# Altium PCB Onju-Home.PcbDoc (part 1 of 2) (continued)
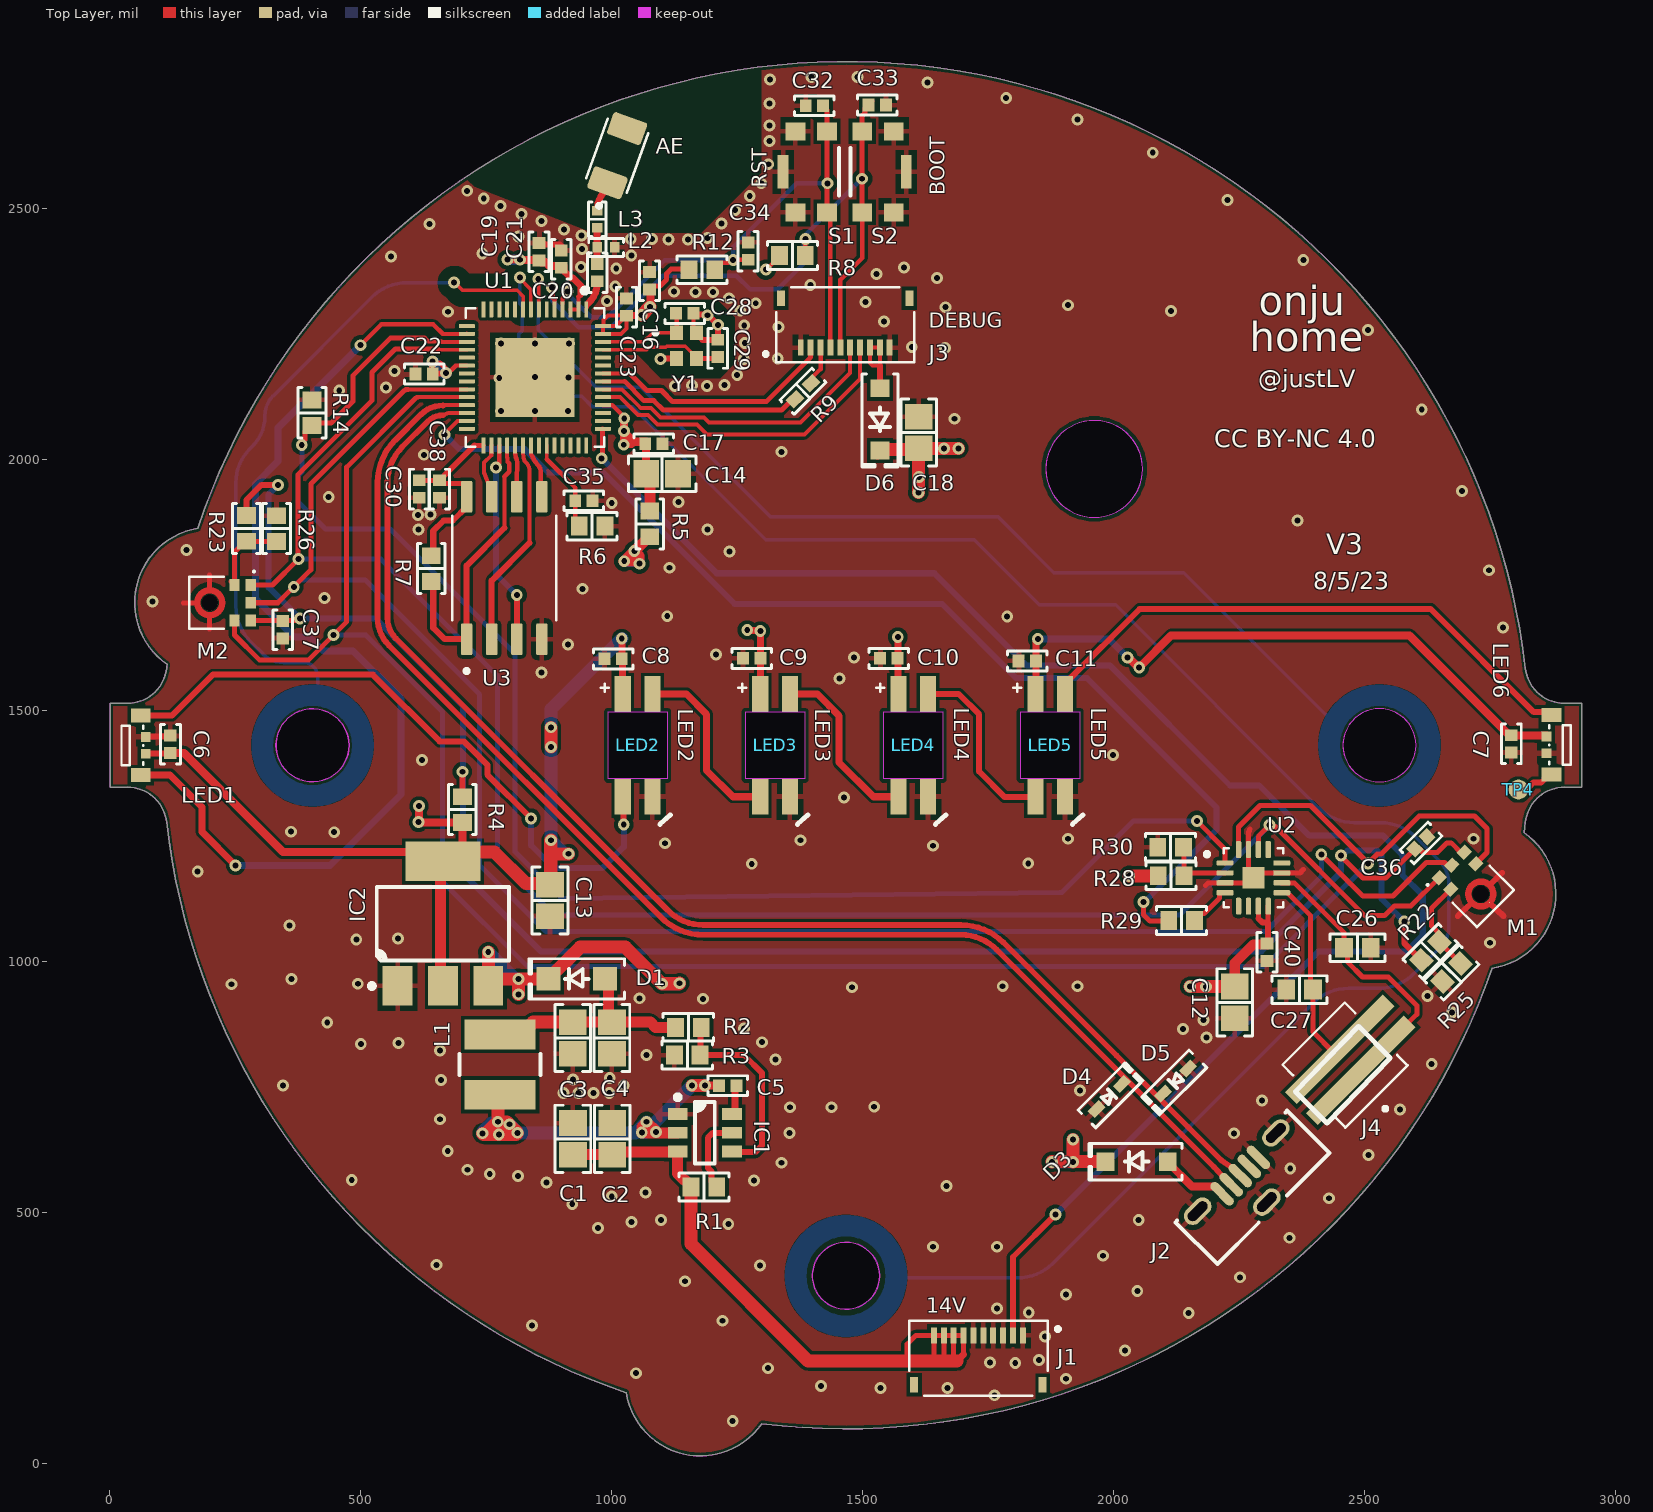
[diagram p0: Top Layer view]
## Part data (continued)
IC2: "IC REG LINEAR 3.3V 800MA SOT223", Current - Output=800mA, Current - Quiescent (Iq)="10 mA", Manufacturer=STMicroelectronics, Operating Temperature="0°C ~ 125°C", Package / Case="TO-261-4, TO-261AA", Supplier Device Package=SOT-223, Supplier Part Number 1=497-1242-1-ND, Voltage - Input (Max)=15V, Voltage - Output (Min/Fixed)=3.3V, Voltage Dropout (Max)="1.2V @ 800mA", ComponentLink1Description=Datasheet, ComponentLink1URL=http://www.st.com/content/ccc/resource/technical/document/datasheet/99/3b/7d/91/91/51/4b/be/CD00000544.pdf/files/CD00000544.pdf/jcr:content/translations/en.CD00000544.pdf, ComponentLink2Description="DigiKey Link", ComponentLink2URL=https://www.digikey.com/en/products/detail/stmicroelectronics/LD1117S33TR/585766, LastUpdated="5/17/2023 8:49:58 PM", Lifecycle Status=Active, Minimum Order=1, Mounting Type="Surface Mount", Number of Regulators=1, Output Configuration=Positive, Output Type=Fixed, Packaging=TapeAndReel, Part Number=LD1117S33TR, Part Status=Active, Price=0.21, Protection Features="Over Current, Over Temperature", PSRR="75dB (120Hz)", Series=-, Supplier 1=DigiKey
J1 J3: Manufacturer=Hirose, Package=None, Availability=Unavailable, MP=FH34SRJ-10S-0.5SH(50), Part Number=FH34SRJ-10S-0.5SH(50), Price=None
J2: "CONN RCPT USB2.0 MICRO B SMD", Current Rating (Amps)="1A, 1.8A", Manufacturer=Molex, Operating Temperature="-35°C ~ 85°C", Supplier Part Number 1=WM9734CT-ND, Voltage - Rated=30VAC, ComponentLink1Description=Datasheet, ComponentLink1URL=https://www.molex.com/pdm_docs/sd/1051330001_sd.pdf, ComponentLink2Description="DigiKey Link", ComponentLink2URL=http://digikey.com/product-detail/en/molex/1051330001/WM9734CT-ND/4037910, Connector Type="USB - micro B", Features="Pick and Place", Gender=Receptacle, LastUpdated="6/6/2020 2:11:37 AM", Lifecycle Status=Active, Mating Cycles=10000, Minimum Order=1, Mounting Feature=Vertical, Mounting Type="Surface Mount", Number of Contacts=5, Number of Ports=1, Packaging=TapeAndReel, Part Number=1051330001, Part Status=Active, Price=0.63, Series=105133, Shielding=Shielded, Specifications="USB 2.0", Supplier 1=DigiKey, Termination=Solder
J4: "EMIX CONN., 1.5MM PITCH, HDR, V/T, 2P", Package=None, Availability="In Stock", Centerline_Pitch="1.5 mm[.059 in]", Check_prices=https://www.snapeda.com/parts/1775443-2/TE+Connectivity/view-part/?ref=eda, EU_RoHS_Compliance=Compliant, MF="TE Connectivity", MP=1775443-2, Number_of_Positions=2, Price=None, Product_Type=Connector, Purchase-URL=https://pricing.snapeda.com/search?q=1775443-2&ref=eda, SnapEDA_Link=https://www.snapeda.com/parts/1775443-2/TE+Connectivity/view-part/?ref=snap
L1: library part SRN4018-3R3M, "FIXED IND 3.3UH 2.2A 66 MOHM SMD", Current - Saturation=2.3A, Current Rating (Amps)="2.2 A", DC Resistance (DCR)="66mOhm Max", Device Package=Nonstandard, Frequency - Self Resonant=45MHz, Inductance Frequency - Test="100 kHz", Manufacturer="Bourns Inc.", Operating Temperature="-40°C ~ 125°C", Q @ Freq="9 @ 7.96MHz", Supplier Part Number 1=SRN4018-3R3MCT-ND, Tolerance=±20%, ComponentLink1Description=Datasheet, ComponentLink1URL=https://www.bourns.com/docs/Product-Datasheets/SRN4018.pdf, ComponentLink2Description="DigiKey Link", ComponentLink2URL=https://www.digikey.com/en/products/detail/bourns-inc/SRN4018-3R3M/3821621, Height - Seated (Max)="0.071\" (1.80mm)", Inductance="3.3 µH", LastUpdated="5/18/2023 9:02:40 PM", Lifecycle Status=Active, Material - Core=Ferrite, Minimum Order=1, Mounting Type="Surface Mount", Package / Case=Nonstandard, Packaging=TapeAndReel, Part Number=SRN4018-3R3M, Part Status=Active, PartId=3648, Price=0.18, Series=SRN4018, Shielding=Semi-Shielded, Size / Dimension="0.157\" L x 0.157\" W (4.00mm x 4.00mm)", Supplier 1=DigiKey, Type="Drum Core, Wirewound"
L2: library part LQW15AN2N7C8ZD, "FIXED IND 2.7NH 1.5A 47MOHM SMD", Current Rating (Amps)="1.5 A", DC Resistance (DCR)="47mOhm Max", Device Package="0402 (1005 Metric)", Frequency - Self Resonant=14GHz, Inductance Frequency - Test="100 MHz", JLC part number=C91239, Manufacturer="Murata Electronics", Operating Temperature="-55°C ~ 125°C", Q @ Freq="28 @ 250MHz", Ratings=AEC-Q200, Supplier Part Number 1=490-15396-1-ND, Tolerance=±0.2nH, ComponentLink1Description=Datasheet, ComponentLink1URL=https://search.murata.co.jp/Ceramy/image/img/P02/JELF243A-9138.pdf, ComponentLink2Description="DigiKey Link", ComponentLink2URL=https://www.digikey.com/en/products/detail/murata-electronics/LQW15AN2N7C8ZD/6798821, Height - Seated (Max)="0.024\" (0.60mm)", Inductance="2.7 nH", LastUpdated="6/8/2023 8:38:37 PM", Lifecycle Status=Active, Material - Core=Non-Magnetic, Minimum Order=1, Mounting Type="Surface Mount", Package / Case="0402 (1005 Metric)", Packaging=TapeAndReel, Part Number=LQW15AN2N7C8ZD, Part Status=Active, PartId=547, Price=0.07, Series=LQW15, Shielding=Unshielded, Size / Dimension="0.039\" L x 0.024\" W (1.00mm x 0.60mm)", Supplier 1=DigiKey, Supplier Device Package="0402 (1005 Metric)", Type=Wirewound
L3: library part LQW15AN3N3C80D, "FIXED IND 3.3NH 2A 30 MOHM SMD", Current Rating (Amps)="2 A", DC Resistance (DCR)="30mOhm Max", Device Package="0402 (1005 Metric)", Frequency - Self Resonant=14GHz, Inductance Frequency - Test="100 MHz", Manufacturer="Murata Electronics", Operating Temperature="-55°C ~ 125°C", Q @ Freq="30 @ 250MHz", Supplier Part Number 1=490-7642-1-ND, Tolerance=±0.2nH, ComponentLink1Description=Datasheet, ComponentLink1URL=https://search.murata.co.jp/Ceramy/image/img/P02/JELF243A-0100.pdf, ComponentLink2Description="DigiKey Link", ComponentLink2URL=https://www.digikey.com/en/products/detail/murata-electronics/LQW15AN3N3C80D/4292355, Height - Seated (Max)="0.024\" (0.60mm)", Inductance="3.3 nH", LastUpdated="6/8/2023 8:38:36 PM", Lifecycle Status=Active, Material - Core=Non-Magnetic, Minimum Order=1, Mounting Type="Surface Mount", Package / Case="0402 (1005 Metric)", Packaging=TapeAndReel, Part Number=LQW15AN3N3C80D, Part Status=Active, PartId=597, Price=0.06, Series=LQW15, Shielding=Unshielded, Size / Dimension="0.039\" L x 0.024\" W (1.00mm x 0.60mm)", Supplier 1=DigiKey, Type=Wirewound
LED1 LED6: BOM_JLCPCB Part Class="Extended Part", BOM_Manufacturer=欧思科光电, JLC part number=C2890041, Manufacturer="OPSCO Optoelectronics", BOM_Manufacturer Part=SK6812D-EC3210R, BOM_Supplier=LCSC, BOM_Supplier Part=C2890041, Contributor=LCSC, Part Number=SK6812D-EC3210R, spicePre=L, spiceSymbolName=SK6812D-EC3210R
LED2 LED3 LED4 LED5: "SK6812MINI-E SMD RGB LED", Package=Package, Availability="Not in stock", Check_prices=https://www.snapeda.com/parts/Sk6812-E/DONGGUANG+OPSCO+OPTOELECTRONICS+CO.%252C+LTD/view-part/?ref=eda, MF="DONGGUANG OPSCO OPTOELECTRONICS CO., LTD", MP=Sk6812-E, Price=None, SnapEDA_Link=https://www.snapeda.com/parts/Sk6812-E/DONGGUANG+OPSCO+OPTOELECTRONICS+CO.%252C+LTD/view-part/?ref=snap
M1 M2: "20 Hz ~ 10 kHz digitale IÂ²S-Mikrofon-MEMS _Silizium_ 1,62 V ~ 3,6 V omnidirektionale _-26 dB Â± 3 dB bei 94 dB SPL_ LÃ¶tpads", Manufacturer=Knowles, Package="SIP-7 Bourns", Digi-Key_Part_Number=423-1405-1-ND, Digi-Key_Purchase_URL=https://www.digikey.ch/product-detail/en/knowles/SPH0645LM4H-B/423-1405-1-ND/5332432?utm_source=snapeda&utm_medium=aggregator&utm_campaign=symbol, MF=Knowles, MP=SPH0645LM4H-B, Part Number=SPH0645LM4H-B, SnapEDA_Link=https://www.snapeda.com/parts/SPH0645LM4H-B/Knowles/view-part/229820/?ref=snap
R1 R3 R8 R12: library part RC0603FR-1010KL, "RES 10K OHM 1% 1/10W 0603", Device Package="0603 (1608 Metric)", Manufacturer=Yageo, Operating Temperature="-55°C ~ 155°C", Power (Watts)="0.1W, 1/10W", Supplier Device Package=0603, Supplier Part Number 1=13-RC0603FR-1010KLCT-ND, Temperature Coefficient=±100ppm/°C, Tolerance=±1%, ComponentLink1Description=Datasheet, ComponentLink1URL=https://www.yageo.com/upload/media/product/productsearch/datasheet/rchip/PYu-RC_Group_51_RoHS_L_11.pdf, ComponentLink2Description="DigiKey Link", ComponentLink2URL=https://www.digikey.com/en/products/detail/yageo/RC0603FR-1010KL/12756395, Composition="Thick Film", Features="Moisture Resistant", Height - Seated (Max)="0.022\" (0.55mm)", LastUpdated="5/18/2023 7:40:33 PM", Lifecycle Status=Active, Minimum Order=1, Number of Terminations=2, Package / Case="0603 (1608 Metric)", Packaging=CutTape, Part Number=RC0603FR-1010KL, Part Status=Active, PartId=62897, Price=0.01, Resistance="10 kOhms", Series=RC_L, Size / Dimension="0.063\" L x 0.031\" W (1.60mm x 0.80mm)", Supplier 1=DigiKey
R2: library part RC0603FR-0754K9L, "RES 54.9K OHM 1% 1/10W 0603", Device Package="0603 (1608 Metric)", Manufacturer=Yageo, Operating Temperature="-55°C ~ 155°C", Power (Watts)="0.1W, 1/10W", Supplier Device Package=0603, Supplier Part Number 1=311-54.9KHRCT-ND, Temperature Coefficient=±100ppm/°C, Tolerance=±1%, ComponentLink1Description=Datasheet, ComponentLink1URL=https://www.yageo.com/upload/media/product/productsearch/datasheet/rchip/PYu-RC_Group_51_RoHS_L_10.pdf, ComponentLink2Description="DigiKey Link", ComponentLink2URL=https://www.digikey.com/en/products/detail/yageo/RC0603FR-0754K9L/727298, Composition="Thick Film", Features="Moisture Resistant", Height - Seated (Max)="0.022\" (0.55mm)", LastUpdated="5/19/2023 7:42:02 PM", Lifecycle Status=Active, Minimum Order=1, Number of Terminations=2, Package / Case="0603 (1608 Metric)", Packaging=CutTape, Part Number=RC0603FR-0754K9L, Part Status=Active, PartId=12494, Price=0.01, Resistance="54.9 kOhms", Series=RC_L, Size / Dimension="0.063\" L x 0.031\" W (1.60mm x 0.80mm)", Supplier 1=DigiKey
R4 R5 R22 R26 R29: library part RC0603JR-130RL, "RES 0 OHM JUMPER 1/10W 0603", Device Package="0603 (1608 Metric)", Manufacturer=Yageo, Operating Temperature="-55°C ~ 155°C", Power (Watts)="0.1W, 1/10W", Supplier Device Package=0603, Supplier Part Number 1=13-RC0603JR-130RLCT-ND, Tolerance=Jumper, ComponentLink1Description=Datasheet, ComponentLink1URL=https://www.yageo.com/upload/media/product/productsearch/datasheet/rchip/PYu-RC_Group_51_RoHS_L_11.pdf, ComponentLink2Description="DigiKey Link", ComponentLink2URL=https://www.digikey.com/en/products/detail/yageo/RC0603JR-130RL/12756398, Composition="Thick Film", Features="Moisture Resistant", Height - Seated (Max)="0.022\" (0.55mm)", LastUpdated="5/18/2023 7:40:20 PM", Lifecycle Status=Active, Minimum Order=1, Number of Terminations=2, Package / Case="0603 (1608 Metric)", Packaging=CutTape, Part Number=RC0603JR-130RL, Part Status=Active, PartId=65414, Price=0.01, Resistance="0 Ohms", Series=RC_L, Size / Dimension="0.063\" L x 0.031\" W (1.60mm x 0.80mm)", Supplier 1=DigiKey
R6: library part RC0603FR-07442KL, "RES 442K OHM 1% 1/10W 0603", Device Package="0603 (1608 Metric)", Manufacturer=Yageo, Operating Temperature="-55°C ~ 155°C", Power (Watts)="0.1W, 1/10W", Supplier Device Package=0603, Supplier Part Number 1=311-442KHRCT-ND, Temperature Coefficient=±100ppm/°C, Tolerance=±1%, ComponentLink1Description=Datasheet, ComponentLink1URL=https://www.yageo.com/upload/media/product/productsearch/datasheet/rchip/PYu-RC_Group_51_RoHS_L_10.pdf, ComponentLink2Description="DigiKey Link", ComponentLink2URL=https://www.digikey.com/en/products/detail/yageo/RC0603FR-07442KL/727243, Composition="Thick Film", Features="Moisture Resistant", Height - Seated (Max)="0.022\" (0.55mm)", LastUpdated="6/8/2023 7:45:09 PM", Lifecycle Status=Active, Minimum Order=1, Number of Terminations=2, Package / Case="0603 (1608 Metric)", Packaging=CutTape, Part Number=RC0603FR-07442KL, Part Status=Active, PartId=7735, Price=0.01, Resistance="442 kOhms", Series=RC_L, Size / Dimension="0.063\" L x 0.031\" W (1.60mm x 0.80mm)", Supplier 1=DigiKey
R7 R14: library part RC0603FR-07100KL, "RES 100K OHM 1% 1/10W 0603", Device Package="0603 (1608 Metric)", Manufacturer=Yageo, Operating Temperature="-55°C ~ 155°C", Power (Watts)="0.1W, 1/10W", Supplier Device Package=0603, Supplier Part Number 1=311-100KHRCT-ND, Temperature Coefficient=±100ppm/°C, Tolerance=±1%, ComponentLink1Description=Datasheet, ComponentLink1URL=https://www.yageo.com/upload/media/product/productsearch/datasheet/rchip/PYu-RC_Group_51_RoHS_L_10.pdf, ComponentLink2Description="DigiKey Link", ComponentLink2URL=https://www.digikey.com/en/products/detail/yageo/RC0603FR-07100KL/726889, Composition="Thick Film", Features="Moisture Resistant", Height - Seated (Max)="0.022\" (0.55mm)", LastUpdated="5/19/2023 7:41:17 PM", Lifecycle Status=Active, Minimum Order=1, Number of Terminations=2, Package / Case="0603 (1608 Metric)", Packaging=CutTape, Part Number=RC0603FR-07100KL, Part Status=Active, PartId=23948, Price=0.01, Resistance="100 kOhms", Series=RC_L, Size / Dimension="0.063\" L x 0.031\" W (1.60mm x 0.80mm)", Supplier 1=DigiKey
R9: library part RC0402FR-07499RL, "RES 499 OHM 1% 1/16W 0402", Device Package="0402 (1005 Metric)", Manufacturer=Yageo, Operating Temperature="-55°C ~ 155°C", Power (Watts)="0.063W, 1/16W", Supplier Device Package=0402, Supplier Part Number 1=311-499LRCT-ND, Temperature Coefficient=±100ppm/°C, Tolerance=±1%, ComponentLink1Description=Datasheet, ComponentLink1URL=https://www.yageo.com/upload/media/product/productsearch/datasheet/rchip/PYu-RC_Group_51_RoHS_L_10.pdf, ComponentLink2Description="DigiKey Link", ComponentLink2URL=https://www.digikey.com/en/products/detail/yageo/RC0402FR-07499RL/726623, Composition="Thick Film", Features="Moisture Resistant", Height - Seated (Max)="0.016\" (0.40mm)", LastUpdated="7/12/2023 7:23:15 PM", Lifecycle Status=Active, Minimum Order=1, Number of Terminations=2, Package / Case="0402 (1005 Metric)", Packaging=CutTape, Part Number=RC0402FR-07499RL, Part Status=Active, PartId=20564, Price=0.01, Resistance="499 Ohms", Series=RC_L, Size / Dimension="0.039\" L x 0.020\" W (1.00mm x 0.50mm)", Supplier 1=DigiKey
R23 R25 R28 R30: library part RC0603JR-130RL, "RES 0 OHM JUMPER 1/10W 0603", Device Package="0603 (1608 Metric)", Manufacturer=Yageo, Operating Temperature="-55°C ~ 155°C", Power (Watts)="0.1W, 1/10W", Resistance="0 Ohms", Supplier Device Package=0603, Supplier Part Number 1=13-RC0603JR-130RLCT-ND, Tolerance=Jumper, ComponentLink1Description=Datasheet, ComponentLink1URL=https://www.yageo.com/upload/media/product/productsearch/datasheet/rchip/PYu-RC_Group_51_RoHS_L_11.pdf, ComponentLink2Description="DigiKey Link", ComponentLink2URL=https://www.digikey.com/en/products/detail/yageo/RC0603JR-130RL/12756398, Composition="Thick Film", Features="Moisture Resistant", Height - Seated (Max)="0.022\" (0.55mm)", LastUpdated="5/18/2023 7:40:20 PM", Lifecycle Status=Active, Minimum Order=1, Number of Terminations=2, Package / Case="0603 (1608 Metric)", Packaging=CutTape, Part Number=RC0603JR-130RL, Part Status=Active, PartId=65414, Price=0.01, Series=RC_L, Size / Dimension="0.063\" L x 0.031\" W (1.60mm x 0.80mm)", Supplier 1=DigiKey
S1 S2: "Switch Tactile N.O. SPST Button Gull Wing 0.05A 32VDC 1VA 200000Cycles 2N SMD Automotive T/R", JLC part number=C72443, Manufacturer=C&K, Package=None, Availability=Unavailable, MP=KMR221GLFS, Part Number=KMR221GLFS, Price=None
U1: "IC RF TxRx + MCU Bluetooth, WiFi 802.11b/g/n, Bluetooth v5.0 2.412GHz ~ 2.484GHz 56-VFQFN Exposed Pad", Manufacturer="Espressif Systems", Package=None, Check_prices=https://www.snapeda.com/parts/ESP32-S3R8/Espressif+Systems/view-part/?ref=eda, Digi-Key_Part_Number=1904-ESP32-S3R8-ND, MF="Espressif Systems", MP=ESP32-S3R8, Part Number=ESP32-S3R8, Purchase-URL=https://pricing.snapeda.com/search/part/ESP32-S3R8/?ref=eda, SnapEDA_Link=https://www.snapeda.com/parts/ESP32-S3R8/Espressif+Systems/view-part/?ref=snap
U2: "Amplifier IC 1-Channel _Mono_ Class D 16-TQFN _3x3_", JLC part number=C910544, Manufacturer="Analog Devices", Package="TQFN-16 Maxim", Availability=Unavailable, MF="Maxim Integrated", MP=MAX98357AETE+, Part Number=MAX98357AETE+, Price=None, SnapEDA_Link=https://www.snapeda.com/parts/MAX98357AETE%2B/Maxim%20Integrated/view-part/229145/?ref=snap
U3: "FLASH - NOR Memory IC 128Mb (16M x 8) SPI - Quad I/O, QPI, DTR 133 MHz 8-SOIC", Manufacturer="Winbond Electronics", Package="SOIC-8 Winbond", Availability="In Stock", Check_prices=https://www.snapeda.com/parts/W25Q128JVSIQ/Winbond+Electronics/view-part/?ref=eda, MF="Winbond Electronics", MP=W25Q128JVSIQ, Part Number=W25Q128JVSIQ, Price=None, Purchase-URL=https://pricing.snapeda.com/search/part/W25Q128JVSIQ/?ref=eda, SnapEDA_Link=https://www.snapeda.com/parts/W25Q128JVSIQ/Winbond+Electronics/view-part/?ref=snap
Y1: "Crystal 40MHz Â±10ppm (Tol) Â±10ppm (Stability) 12pF FUND 60Ohm 4-Pin Ultra Mini-CSMD T/R", JLC part number=C255899, Manufacturer="Abracon Corporation", Package=None, Availability="In Stock", Check_prices=https://www.snapeda.com/parts/ABM11-40.000MHZ-12-B1U-T3/Abracon/view-part/?ref=eda, MF="Abracon Corporation", MP=ABM11-40.000MHZ-12-B1U-T3, Part Number=ABM11-40.000MHZ-12-B1U-T3, Price=None, Purchase-URL=https://pricing.snapeda.com/search?q=ABM11-40.000MHZ-12-B1U-T3&ref=eda, SnapEDA_Link=https://www.snapeda.com/parts/ABM11-40.000MHZ-12-B1U-T3/Abracon/view-part/?ref=snap

## Via types
v1: diameter 23.62, hole 11.81, Top Layer to Bottom Layer, tented both sides, 299 vias

## Nets (pads, with @x,y where several pads share a name; then routed paths per layer and width w, separated by ;. In a path a pad name is that pad's centre, name@x,y a point inside that pad or via, vN(x,y) a via of type N, cw(c..) or ccw(c..) an arc to the next point about the centre after c; other vN are vias at no path point)
3V3: C6.2 C7.2 C8.2 C9.2 C10.2 C11.2 C13.1 IC2.2 IC2.4 LED1.4 LED2.1 LED3.1 LED4.1 LED5.1 LED6.4 R4.2 R5.1 | length 3945.2
  Top Layer w12: LED1.4@71.37,1414.01 119.89,1414.01 C6.2@120.63,1414.76 ; R4.2@702.37,1276.58 R4.2@702.37,1285.58
  Top Layer w14: C8.2@1019.53,1601.79 C8.2@1020.06,1602.31 ; C8.2@1020.06,1601.53 C8.2@1020.06,1602.31 ; C8.2@1020.03,1602.34 v1(1020,1643) ; LED2.1@1022.11,1532.36 1021.08,1533.39 1021.08,1601.29 C8.2@1020.06,1602.31 ; v1(1270,1660) 1271,1659 1295,1659 v1(1296,1658) 1296.05,1657.95 LED3.1@1296.11,1532.36 LED3.1@1296.11,1532.36 ; v1(1570,1646) 1570.55,1645.45 1570.55,1532.92 LED4.1@1571.11,1532.36 ; LED5.1@1843.36,1545.84 1844.67,1544.53 1845.78,1545.64 1845.78,1637.45 1848.95,1640.62 v1(1848.95,1642.16)
  Top Layer w16: C6.2@120.63,1414.76 147.75,1414.76 344.86,1217.65 IC2.4@658.7,1217.65 ; v1(616,1309) 615.5,1308.5 615.5,1277.5 v1(615,1277) ; v1@617,1278 616,1277 v1(615,1277) ; IC2.4@702.37,1236.02 R4.2@702.37,1276.58 702.16,1276.79 615.21,1276.79 v1(615,1277) ; v1(2028,1605) 2029.5,1605 2049.5,1585 v1(2051,1585) 2114.62,1648.62 2589.55,1648.62 2786.6,1451.57 2788.57,1451.57 2790.57,1449.58 LED6.4@2862.77,1449.58
  Top Layer w22: IC2.2@658.7,969.61 658.7,1217.65 IC2.4@670,1217.65 ; C13.1@875.1,1154.45 C13.1@876.99,1152.57 C13.1@879.44,1155.02 ; v1@1024.69,1796.69 v1(1025,1797) ; v1(1055,1792) v1@1054.69,1792.31 ; R5.1@1075.88,1845.69 1073.91,1845.69 1045.22,1817 v1(1045,1817) ; v1(1025,1797) 1049.56,1797 1054.25,1792.31 v1@1054.69,1792.31 ; v1(1025,1797) v1(1045,1817) ; v1(1045,1817) 1045,1816.56 1054.69,1806.87 v1@1054.69,1792.31
  Top Layer w26: IC2.4@670,1217.65 766.12,1217.65 829.32,1154.45 C13.1@875.1,1154.45 ; v1(879,1241) 878.45,1240.45 878.45,1214 ; v1(879,1427) v1(879,1466) ; C13.1@879.44,1155.02 878.45,1156 878.45,1214 ; v1(914,1214) 878.45,1214
  Bottom Layer w14: v1(1270,1660) 1271,1659 1295,1659 v1(1296,1658) ; v1(1848.95,1642.16) 1990.84,1642.16 v1(2028,1605)
  Bottom Layer w16: v1(615,1277) 615.5,1277.5 615.5,1308.5 v1(616,1309) ; v1(2028,1605) 2029.5,1605 2049.5,1585 v1(2051,1585)
  Bottom Layer w22: v1(1025,1797) v1(1045,1817) 1045,1816.56 1054.69,1806.87 1054.69,1792.31 v1(1055,1792) 1054.56,1792 1049.87,1796.69 1025.31,1796.69 v1(1025,1797)
  Bottom Layer w26: v1(914,1214) 906,1214 v1(879,1241) v1(879,1427) v1(879,1466) 879,1502 v1(1020,1643)
3V3_ESP32: C14.1 C16.2 C17.2 C19.2 C21.2 C22.2 C23.2 R5.2 R8.1 R12.1 U1.2 U1.3 U1.20 U1.46 U1.55 U1.56 | length 1256.4
  Top Layer w7.87: 689.08,2186.61 U1.20@711.06,2186.61 ; U1.3@917.73,2298.79 U1.2@933.48,2298.79 ; U1.2@933.65,2298.96 933.65,2323.78 ; v1(1307.09,2377.95) 1308.33,2377.95 1334.41,2404.03 R8.1@1334.41,2406
  Top Layer w8: C23.2@1028.3,2286.13 992.34,2286.13 983.37,2277.16 983.37,2265.85 U1.56@983.04,2265.52 ; C23.2@1028.5,2286.13 1020.69,2278.32 1020.69,2277.54 1008.67,2265.52 U1.56@983.04,2265.52 ; C23.2@1029.29,2286.13 1029.29,2261.07 1017.99,2249.77 U1.55@982.49,2249.77 U1.56@982.49,2265.52 U1.56@983.04,2265.52
  Top Layer w9: v1@669.79,2167.32 689.08,2186.61 ; 933.65,2323.78 937.62,2327.76 ; U1.46@982.49,2108.04 982.66,2107.87 1001.4,2107.87 1025,2084.27 v1(1025,2081)
  Top Layer w10: v1(643,2195) 645.61,2192.39 657.89,2192.39 667.63,2182.66 v1@667.63,2174.41 ; C16.2@1075.3,2338.57 1082.11,2345.38 1096.38,2345.38 1109,2358 1109,2370 1118,2379 1152.63,2379 R12.1@1154.1,2377.53
  Top Layer w12: C22.2@642.29,2171.11 668.65,2171.11 v1(669.79,2172.24) ; v1(643,2195) 641.98,2193.98 641.98,2171.42 C22.2@643.43,2169.97 ; 937.62,2327.76 937.62,2335.41 938.62,2336.41
  Top Layer w14: C21.2@903.81,2376.19 918.68,2361.32 922.91,2361.32 938.62,2345.61 938.62,2336.41 ; C23.2@1028.3,2286.13 1028.5,2286.13 C23.2@1029.29,2286.13 v1@1059.56,2286.13
  Top Layer w16: v1(792,2398) 792.2,2397.8 817.15,2397.8 v1(817.35,2397.59) 817.89,2397.05 854.59,2397.05 C19.2@855.13,2396.5 ; C19.2@859.73,2399.5 859.73,2392.69 867.73,2392.69 875.6,2384.82 903.81,2384.82 C21.2@903.81,2376.19 ; v1(1024,2029) v1@1024.5,2029.5 ; v1@1024.33,2054.36 v1(1024.33,2056.42) ; v1(1025,2081) 1024.5,2080.5 v1@1024.5,2054.19 ; C17.2@1066.82,2031.11 1066.82,2031.19 1063,2035 1043.5,2035 ; C17.2@1067.82,2035.82 1067.82,1990.18 C14.1@1085.03,1972.97 ; v1(1076,2304) 1077.15,2305.15 1077.15,2328.42 C16.2@1078.3,2329.57 ; v1@1024.5,2029.5 1025.99,2030.99 1039.49,2030.99 1043.5,2035 ; v1@1024.5,2029.5 v1@1024.5,2054.19 ; v1@1024.5,2054.19 1043.5,2035.19 1043.5,2035
  Top Layer w22: C14.1@1069.03,1970.97 1075.88,1964.12 R5.2@1075.88,1896.87
  Top Layer w26: v1(1059.56,2287.4) 1076,2303.85 v1(1076,2304)
  Bottom Layer w16: v1(1024,2029) 1024.5,2029.5 1024.5,2080.5 v1(1025,2081)
  Bottom Layer w22: v1(792,2398) 792.31,2398.31 v1@817.35,2398.31
  Bottom Layer w24: v1(643,2195) 665.76,2172.24 v1(669.79,2172.24)
3V3_MIC: C36.2 C37.2 M1.5 M2.5 R4.1 R22.1 R23.2 | length 3835
  Top Layer w10: M2.5@280.7,1678.78 M2.5@288.56,1678.8 ; 293.48,1678.8 370.49,1678.8 374.77,1683.07 v1(378.45,1683.07) ; v1(2453.26,1210.8) 2453.26,1209.01 2496.91,1165.35 2542.05,1165.35 C36.2@2600.12,1223.43 2609.75,1223.43 2616.64,1216.54 2645.18,1216.54 2664.46,1235.81 2672.75,1235.81 2691.91,1216.65 M1.5@2699.04,1216.65
  Top Layer w12: R23.2@272.15,1887.81 272.15,1919.09 301.87,1948.82 v1(335.15,1948.82) ; R4.1@702.37,1327.76 v1(702.37,1377.46) ; v1(2579.24,1078.74) 2579.24,1035.7 R22.1@2613.09,1001.84
  Bottom Layer w12: v1(335.15,1948.82) 316.44,1930.12 316.44,1745.08 v1(378.45,1683.07) 529.04,1683.07 703.37,1508.75 703.37,1175.09 858.77,1019.68 2294.68,1019.68 2453.26,1178.26 v1(2453.26,1210.8) 2453.26,1213.67 2453.9,1213.03 2458.62,1213.03 2466.07,1220.47 2525.19,1220.47 2534.14,1211.52 2534.14,1123.84 v1(2579.24,1078.74)
5V: C12.1 C18.1 C40.2 D1.2 D3.2 D6.2 IC2.3 R28.2 U2.7 U2.8 | length 1714.1
  Top Layer w10: 2288.57,1085 U2.7@2288.57,1109.35 ; 2308.1,1077.28 U2.8@2308.1,1109.5
  Top Layer w12: 2288.57,1085 2296.3,1077.28 2308.1,1077.28 2308.1,1045.05 C40.2@2312.57,1040.57
  Top Layer w20: v1@2151,948 v1(2152.5,949.5) ; C12.1@2241.42,965.5 2241.42,996.42 2278.51,1033.51 2305.51,1033.51 C40.2@2308.03,1036.04
  Top Layer w26: IC2.3@749.25,969.61 754.04,964.83 IC2.3@754.25,964.83 ; v1(754,1018) 754.25,1017.75 IC2.3@754.25,964.83 ; IC2.3@754.25,950.61 IC2.3@754.25,964.83 ; v1(814,934) 814.17,934.17 v1(814.17,964.83) ; v1(1135,956) 1134,955 v1(1100,955) 1027,1028 937.26,1028 D1.2@874.08,964.83 v1(814.17,964.83) ; D6.2@1529.79,2012.98 D6.2@1534.5,2017.7 1536.6,2019.8 1609.4,2019.8 C18.1@1611.5,2021.89 ; v1(1611,1933.82) 1611.5,1934.31 C18.1@1611.5,2021.89 ; v1(1691,2021.82) 1690.93,2021.89 C18.1@1611.5,2021.89 ; v1(1877,600) 1877.43,600.43 v1@1919,600.43 ; v1(1919,600) v1@1919,600.43 ; v1(1919,645) v1@1919,600.43 ; D3.2@1983.99,600.43 v1@1919,600.43 ; v1(2031,1170) R28.2@2088.98,1170 ; v1(2152.5,949.5) C12.1@2241.42,949.5 v1@2184,949.5 ; IC2.3@754.25,964.83 v1(814.17,964.83)
  Bottom Layer w26: v1(754,1018) 807.17,964.83 v1(814.17,964.83) 814.17,934.17 v1(814,934) ; v1(1100,955) 1134,955 v1(1135,956) ; v1(1611,1933.82) 1611,1963.82 v1(1612,1964.82) ; v1(1662,2021.82) v1(1691,2021.82) ; v1(1877,600) v1(1919,600) v1(1919,645) ; v1(2152.5,949.5) 2182.8,949.5 cw(c2182.8,947.8) v1(2184,949)
14V: C1.1 C2.1 IC1.3 J1.7 J1.8 J1.9 J1.10 R1.2 | length 1395.8
  Top Layer w10: 1587.57,203 1588.57,204 1588.57,237 1605.85,254.28 J1.10@1641.99,254.28 ; 1639.57,210 1641.99,212.42 J1.10@1641.99,254.28 ; 1663.57,203 1661.67,204.9 J1.9@1661.67,254.28 ; 1687.57,203 1681.36,209.21 J1.8@1681.36,254.28 ; 1701.04,216.47 J1.7@1701.04,254.28 J1.8@1681.36,254.28 ; J1.10@1641.99,254.28 J1.9@1661.67,254.28 ; J1.9@1661.67,254.28 J1.8@1681.36,254.28
  Top Layer w14: 1687.57,203 1701.04,216.47
  Top Layer w22: C1.1@922.72,614.5 C2.1@1000.72,614.5 1006,619.79 1130.63,619.79 IC1.3@1131.44,620.6 1131.44,576.54 1144.32,563.66 1146.29,563.66 1157.98,551.97 R1.2@1157.98,550
  Top Layer w26: R1.2@1157.98,550 1157.98,493.3 1157.98,436.59 1391.57,203 1587.57,203 1641.99,203 1663.57,203 1687.57,203
CHIP_PU: C32.2 C34.2 J3.4 R12.2 S1.2 S1.3 U1.4 | length 1265.9
  Top Layer w7.87: U1.4@902.15,2310.23 902.15,2320.89
  Top Layer w9: 902.15,2320.89 911.81,2330.55 v1(911.81,2334.51) ; R12.2@1205.28,2377.53 1205.28,2379.5 1217.52,2391.73 1232.78,2391.73 1238.04,2397 v1(1242,2397) 1245.96,2397 1245.41,2397.54 C34.2@1271.72,2397.54 ; C32.2@1425.13,2699.92 C32.2@1428.56,2703.35 ; S1.2@1429,2492.06 1435.72,2485.34 J3.4@1435.72,2222.57
  Top Layer w10: C32.2@1421.25,2704.58 1421.25,2703.8 1425.13,2699.92 1429,2696.04 S1.3@1429,2653.47 S1.2@1429,2492.06
  Bottom Layer w9: v1(911.81,2334.51) 911.81,2330.55 918.65,2323.71 918.65,2323.55 959.2,2283 992,2283 1106,2397 v1(1242,2397) 1242,2423.1 1368.9,2550 v1(1430,2550)
D_N: D4.2 J2.2 U1.25 | length 2707.2
  Top Layer w7.87: 665.3,2108.04 U1.25@711.23,2108.04
  Top Layer w9: 664,2107.5 cw(c665.3,2106.2) 665.3,2108.04
  Top Layer w11.5: 664,2107.5 ccw(c664,2044.54) 619.48,2089.06 568.5,2038.08 ccw(c653,1953.58) 533.5,1953.58 533.5,1684.04 ccw(c611.04,1684.04) 556.21,1629.21 1097.92,1087.5 ccw(c1182.42,1172) 1182.42,1052.5 1696.08,1052.5 cw(c1696.08,952.5) 1766.79,1023.21 2200,590 2219.67,569.33 J2.2@2234.28,554.71
D_P: D5.2 J2.3 U1.26 | length 2662.5
  Top Layer w7.87: 674.36,2092.29 U1.26@711.23,2092.29
  Top Layer w8.5: 664,2088 674.36,2092.29
  Top Layer w11.5: 664,2088 ccw(c664,2044.54) 633.27,2075.27 582.29,2024.29 ccw(c653,1953.58) 553,1953.58 553,1684.04 ccw(c611.04,1684.04) 570,1643 1111.71,1101.29 ccw(c1182.42,1172) 1182.42,1072 1696.08,1072 cw(c1696.08,952.5) 1780.58,1037 2005.52,812.06 2213.79,603.79 2237.76,587.42 J2.3@2252.38,572.81
EN: IC1.5 R1.1 | length 157.6
  Top Layer w12: R1.1@1209.16,550 1198.43,560.73 1198.43,581.14 1191.57,588 1191.57,648 1201.57,658 IC1.5@1239.7,658